# KiCad board IMUArray_SensorBoard.kicad_pcb
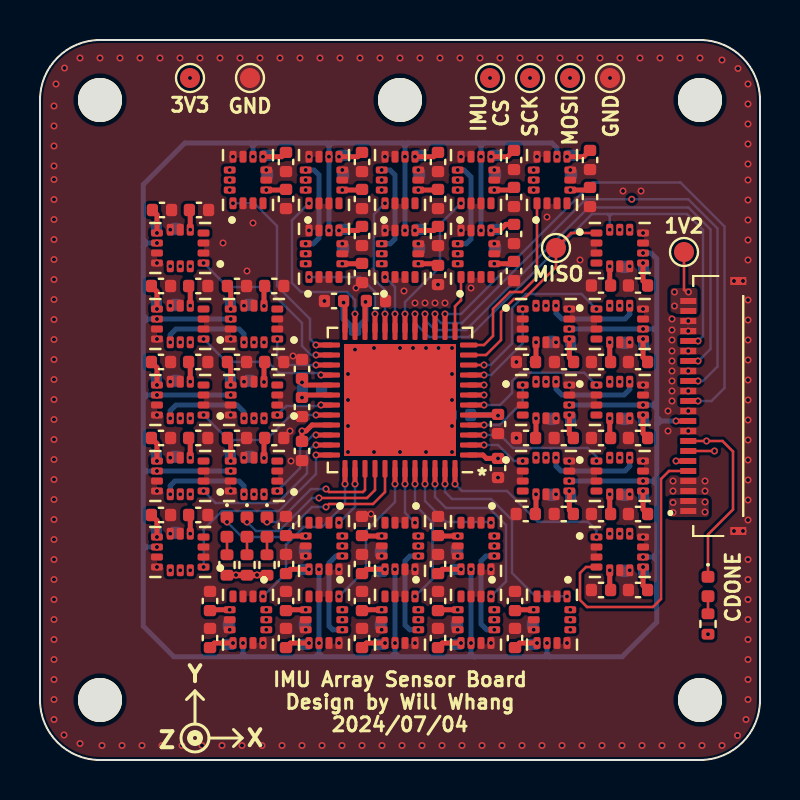
[diagram p0: board, top side]
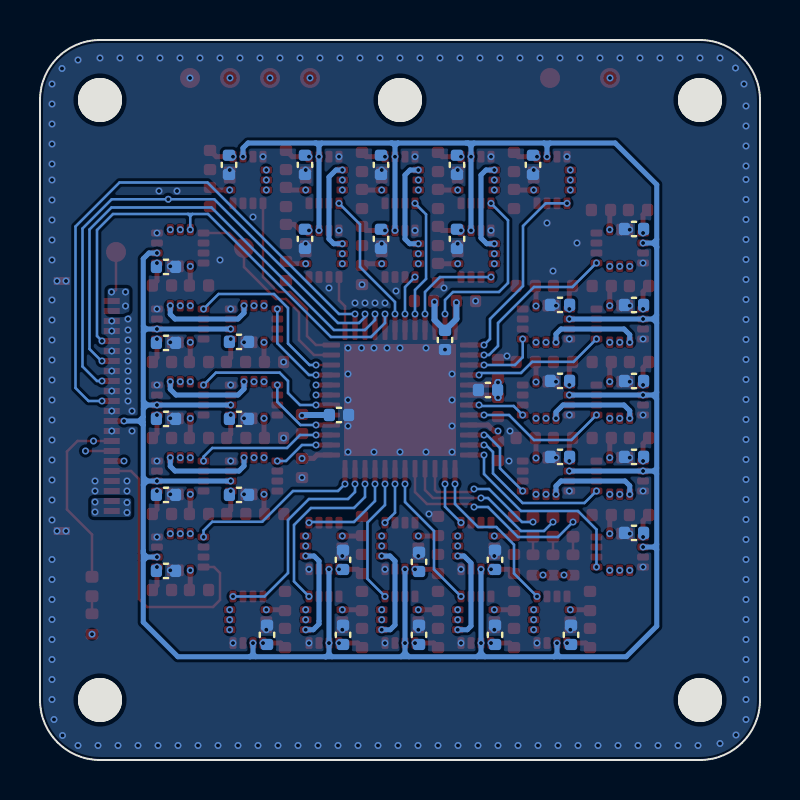
[diagram p1: board, bottom side, seen from below]

Outline 36 x 36 mm; copper layers: Top, In1.Cu, In2.Cu, In3.Cu, In4.Cu, Bottom. Coordinates in mm from the lower left corner of the outline.
Outline path: 0,33 0,3 arc(0.88,0.88) 3,0 33,0 arc(35.12,0.88) 36,3 36,33 arc(35.12,35.12) 33,36 3,36 arc(0.88,35.12) 0,33
Stack: Top 0.035mm / dielectric 0.1857mm FR4 er 4.5 / In1.Cu 0.035mm / dielectric 0.1857mm FR4 er 4.5 / In2.Cu 0.035mm / dielectric 0.1857mm FR4 er 4.5 / In3.Cu 0.035mm / dielectric 0.1857mm FR4 er 4.5 / In4.Cu 0.035mm / dielectric 0.1857mm FR4 er 4.5 / Bottom 0.035mm

## Placement (name value [footprint] x y rotation side)
C1  100n  [C_0402_1005Metric]  16.8 22.95 0 top
C2  100n  [C_0402_1005Metric]  13.1 15.45 270 top
C3  4.7uF  [C_0402_1005Metric]  15.75 21 270 bottom
C4  100n  [C_0402_1005Metric]  16.1 26.2 270 top
C5  100n  [C_0402_1005Metric]  22.9 14.6 270 top
C6  100n  [C_0402_1005Metric]  19.9 26.2 270 top
C7  100n  [C_0402_1005Metric]  13.1 19.55 90 top
C8  100n  [C_0402_1005Metric]  23.7 26.3 270 top
C9  100n  [C_0402_1005Metric]  13.1 17.65 270 top
C10  100n  [C_0402_1005Metric]  22.9 16.8 270 top
C11  100n  [C_0402_1005Metric]  12.3 29.9 270 top
C12  100n  [C_0402_1005Metric]  16.1 29.9 270 top
C13  100n  [C_0402_1005Metric]  19.9 29.9 270 top
C14  100n  [C_0402_1005Metric]  23.7 30 270 top
C15  100n  [C_0402_1005Metric]  27.5 30 270 top
C16  10nF  [C_0402_1005Metric]  16.1 24.35 270 top
C17  10nF  [C_0402_1005Metric]  19.9 24.25 270 top
C18  10nF  [C_0402_1005Metric]  23.7 24.45 270 top
C19  10nF  [C_0402_1005Metric]  12.3 28.05 270 top
C20  10nF  [C_0402_1005Metric]  16.1 28.05 270 top
C21  10nF  [C_0402_1005Metric]  19.9 28.05 270 top
C22  10nF  [C_0402_1005Metric]  23.7 28.15 270 top
C23  10nF  [C_0402_1005Metric]  27.5 28.15 270 top
C24  2.2uF  [C_0402_1005Metric]  15.15 26.06 270 bottom
C25  2.2uF  [C_0402_1005Metric]  18.95 26.06 270 bottom
C26  2.2uF  [C_0402_1005Metric]  22.75 26.06 270 bottom
C27  2.2uF  [C_0402_1005Metric]  11.35 29.76 270 bottom
C28  2.2uF  [C_0402_1005Metric]  15.15 29.76 270 bottom
C29  2.2uF  [C_0402_1005Metric]  18.95 29.76 270 bottom
C30  2.2uF  [C_0402_1005Metric]  22.75 29.76 270 bottom
C31  2.2uF  [C_0402_1005Metric]  26.55 29.76 270 bottom
C32  100n  [C_0402_1005Metric]  26.2 19.9 180 top
C33  100n  [C_0402_1005Metric]  26.19 16.1 180 top
C34  100n  [C_0402_1005Metric]  26.19 12.3 180 top
C35  100n  [C_0402_1005Metric]  29.9 23.72 180 top
C36  100n  [C_0402_1005Metric]  29.9 19.9 180 top
C37  100n  [C_0402_1005Metric]  29.9 16.1 180 top
C38  100n  [C_0402_1005Metric]  29.9 12.3 180 top
C39  100n  [C_0402_1005Metric]  29.9 8.5 180 top
C40  10nF  [C_0402_1005Metric]  24.3 19.9 180 top
C41  10nF  [C_0402_1005Metric]  24.3 16.1 180 top
C42  10nF  [C_0402_1005Metric]  24.29 12.3 180 top
C43  10nF  [C_0402_1005Metric]  28.05 23.72 180 top
C44  10nF  [C_0402_1005Metric]  28.05 19.9 180 top
C45  10nF  [C_0402_1005Metric]  28.05 16.1 180 top
C46  10nF  [C_0402_1005Metric]  28.05 12.3 180 top
C47  10nF  [C_0402_1005Metric]  28.05 8.5 180 top
C48  2.2uF  [C_0402_1005Metric]  26.05 20.91 180 bottom
C49  2.2uF  [C_0402_1005Metric]  26.05 17.06 180 bottom
C50  2.2uF  [C_0402_1005Metric]  26.05 13.26 180 bottom
C51  2.2uF  [C_0402_1005Metric]  29.7 24.66 180 bottom
C52  2.2uF  [C_0402_1005Metric]  29.7 20.86 180 bottom
C53  2.2uF  [C_0402_1005Metric]  29.7 17.06 180 bottom
C54  2.2uF  [C_0402_1005Metric]  29.7 13.26 180 bottom
C55  2.2uF  [C_0402_1005Metric]  29.7 9.46 180 bottom
C56  100n  [C_0402_1005Metric]  19.9 9.8 90 top
C57  100n  [C_0402_1005Metric]  16.1 9.8 90 top
C58  100n  [C_0402_1005Metric]  12.3 9.8 90 top
C59  100n  [C_0402_1005Metric]  23.75 6.1 90 top
C60  100n  [C_0402_1005Metric]  19.9 6.1 90 top
C61  100n  [C_0402_1005Metric]  16.1 6.1 90 top
C62  100n  [C_0402_1005Metric]  12.3 6.1 90 top
C63  100n  [C_0402_1005Metric]  8.5 6.1 90 top
C64  10nF  [C_0402_1005Metric]  19.9 11.7 90 top
C65  10nF  [C_0402_1005Metric]  16.1 11.7 90 top
C66  10nF  [C_0402_1005Metric]  12.3 11.7 90 top
C67  10nF  [C_0402_1005Metric]  23.75 7.95 90 top
C68  10nF  [C_0402_1005Metric]  19.9 7.95 90 top
C69  10nF  [C_0402_1005Metric]  16.1 7.95 90 top
C70  10nF  [C_0402_1005Metric]  12.3 7.95 90 top
C71  10nF  [C_0402_1005Metric]  8.5 7.95 90 top
C72  2.2uF  [C_0402_1005Metric]  20.85 10.01 90 bottom
C73  2.2uF  [C_0402_1005Metric]  17.05 9.91 90 bottom
C74  2.2uF  [C_0402_1005Metric]  13.25 10.01 90 bottom
C75  2.2uF  [C_0402_1005Metric]  24.65 6.26 90 bottom
C76  2.2uF  [C_0402_1005Metric]  20.85 6.26 90 bottom
C77  2.2uF  [C_0402_1005Metric]  17.05 6.26 90 bottom
C78  2.2uF  [C_0402_1005Metric]  13.25 6.26 90 bottom
C79  2.2uF  [C_0402_1005Metric]  9.45 6.26 90 bottom
C80  100n  [C_0402_1005Metric]  9.85 16.1 0 top
C81  100n  [C_0402_1005Metric]  9.85 19.9 0 top
C82  100n  [C_0402_1005Metric]  9.85 23.7 0 top
C83  100n  [C_0402_1005Metric]  6.05 12.25 0 top
C84  100n  [C_0402_1005Metric]  6.05 16.1 0 top
C85  100n  [C_0402_1005Metric]  6.05 19.9 0 top
C86  100n  [C_0402_1005Metric]  6.05 23.7 0 top
C87  100n  [C_0402_1005Metric]  6.1 27.5 0 top
C88  10nF  [C_0402_1005Metric]  11.71 16.1 0 top
C89  10nF  [C_0402_1005Metric]  11.71 19.9 0 top
C90  10nF  [C_0402_1005Metric]  11.71 23.7 0 top
C91  10nF  [C_0402_1005Metric]  7.91 12.25 0 top
C92  10nF  [C_0402_1005Metric]  7.91 16.1 0 top
C93  10nF  [C_0402_1005Metric]  7.91 19.9 0 top
C94  10nF  [C_0402_1005Metric]  7.91 23.7 0 top
C95  10nF  [C_0402_1005Metric]  7.95 27.5 0 top
C96  2.2uF  [C_0402_1005Metric]  10 15.16 0 bottom
C97  2.2uF  [C_0402_1005Metric]  10 18.96 0 bottom
C98  2.2uF  [C_0402_1005Metric]  10 22.76 0 bottom
C99  2.2uF  [C_0402_1005Metric]  6.3 11.36 0 bottom
C100  2.2uF  [C_0402_1005Metric]  6.3 15.16 0 bottom
C101  2.2uF  [C_0402_1005Metric]  6.3 18.95 0 bottom
C102  2.2uF  [C_0402_1005Metric]  6.3 22.75 0 bottom
C103  2.2uF  [C_0402_1005Metric]  6.3 26.55 0 bottom
C111  100n  [C_0402_1005Metric]  14.7 22.95 180 top
C112  4.7uF  [C_0402_1005Metric]  13.6 18.5 0 bottom
C113  4.7uF  [C_0402_1005Metric]  21.05 17.25 180 bottom
D1  GREEN  [LED_0402_1005Metric]  33.4 8.67 270 top
D2  RED  [LED_0402_1005Metric]  9.35 11.65 270 top
D3  GREEN  [LED_0402_1005Metric]  10.35 11.65 270 top
D4  BLUE  [LED_0402_1005Metric]  11.35 11.65 270 top
H1  MountingHole  [MountingHole_2.2mm_M2]  3 3 0 top
H2  MountingHole  [MountingHole_2.2mm_M2]  33 3 0 top
H3  MountingHole  [MountingHole_2.2mm_M2]  33 33 0 top
H4  MountingHole  [MountingHole_2.2mm_M2]  18 33 0 top
H4#2  MountingHole  [MountingHole_2.2mm_M2]  3 33 0 top
J1  Conn_01x22_Shielded  [FH19SC22S05SH09]  33.91 17.7 90 top
R3  330R  [R_0402_1005Metric]  33.4 6.8 270 top
R4  330R  [R_0402_1005Metric]  9.35 9.75 270 top
R5  330R  [R_0402_1005Metric]  10.35 9.75 270 top
R6  330R  [R_0402_1005Metric]  11.35 9.75 270 top
TP1  TestPoint  [TestPoint_Pad_D1.0mm]  32.2 25.4 0 top
TP2  TestPoint  [TestPoint_Pad_D1.0mm]  7.5 34.1 0 top
TP3  TestPoint  [TestPoint_Pad_D1.0mm]  10.5 34.1 0 top
TP4  TestPoint  [TestPoint_Pad_D1.0mm]  22.5 34.1 0 top
TP5  TestPoint  [TestPoint_Pad_D1.0mm]  26.5 34.1 0 top
TP6  TestPoint  [TestPoint_Pad_D1.0mm]  24.5 34.1 0 top
TP7  TestPoint  [TestPoint_Pad_D1.0mm]  28.5 34.1 0 top
TP8  TestPoint  [TestPoint_Pad_D1.0mm]  25.8 25.6 0 top
U1  ICM-42688-P  [PQFN50P300X250X97-14N]  14.2 25.31 90 top
U2  ICM-42688-P  [PQFN50P300X250X97-14N]  18 25.31 90 top
U3  ICM-42688-P  [PQFN50P300X250X97-14N]  21.8 25.31 90 top
U4  ICM-42688-P  [PQFN50P300X250X97-14N]  10.4 29 90 top
U5  ICM-42688-P  [PQFN50P300X250X97-14N]  14.2 29 90 top
U6  ICM-42688-P  [PQFN50P300X250X97-14N]  18 29 90 top
U7  ICM-42688-P  [PQFN50P300X250X97-14N]  21.8 29 90 top
U8  ICM-42688-P  [PQFN50P300X250X97-14N]  25.6 29 90 top
U9  ICM-42688-P  [PQFN50P300X250X97-14N]  25.3 21.8 0 top
U10  ICM-42688-P  [PQFN50P300X250X97-14N]  25.3 18 0 top
U11  ICM-42688-P  [PQFN50P300X250X97-14N]  25.3 14.2 0 top
U12  ICM-42688-P  [PQFN50P300X250X97-14N]  28.99 25.6 0 top
U13  ICM-42688-P  [PQFN50P300X250X97-14N]  28.99 21.8 0 top
U14  ICM-42688-P  [PQFN50P300X250X97-14N]  28.99 18 0 top
U15  ICM-42688-P  [PQFN50P300X250X97-14N]  28.99 14.2 0 top
U16  ICM-42688-P  [PQFN50P300X250X97-14N]  28.99 10.4 0 top
U17  ICM-42688-P  [PQFN50P300X250X97-14N]  21.8 10.7 270 top
U18  ICM-42688-P  [PQFN50P300X250X97-14N]  18 10.7 270 top
U19  ICM-42688-P  [PQFN50P300X250X97-14N]  14.2 10.7 270 top
U20  ICM-42688-P  [PQFN50P300X250X97-14N]  25.6 7.01 270 top
U21  ICM-42688-P  [PQFN50P300X250X97-14N]  21.8 7.01 270 top
U22  ICM-42688-P  [PQFN50P300X250X97-14N]  18 7.01 270 top
U23  ICM-42688-P  [PQFN50P300X250X97-14N]  14.2 7.01 270 top
U24  ICM-42688-P  [PQFN50P300X250X97-14N]  10.4 7.01 270 top
U25  ICM-42688-P  [PQFN50P300X250X97-14N]  10.7 14.2 180 top
U26  ICM-42688-P  [PQFN50P300X250X97-14N]  10.7 18 180 top
U27  ICM-42688-P  [PQFN50P300X250X97-14N]  10.7 21.8 180 top
U28  ICM-42688-P  [PQFN50P300X250X97-14N]  7.01 10.4 180 top
U29  ICM-42688-P  [PQFN50P300X250X97-14N]  7.01 14.2 180 top
U30  ICM-42688-P  [PQFN50P300X250X97-14N]  7.01 18 180 top
U31  ICM-42688-P  [PQFN50P300X250X97-14N]  7.01 21.8 180 top
U32  ICM-42688-P  [PQFN50P300X250X97-14N]  7.01 25.6 180 top
U33  ICE5LP1K-SG48  [QFN-48-1EP_7x7mm_P0.5mm_EP5.6x5.6mm]  18 18 180 top

## Library data of the parts
U1-U32 = -: MANUFACTURER: TDK InvenSense; MAXIMUM_PACKAGE_HEIGHT: 0.97mm; PARTREV: 1.2; STANDARD: IPC-7351B

## Footprints (pads in the part's own frame, mm; a bottom-side part is the same pattern mirrored in y, then rotated)
C_0402_1005Metric
  rrect 0.56x0.62 smd: 1(-0.48,0) 2(0.48,0)
FH19SC22S05SH09
  rect 0.3x0.8 smd: 1(-5.25,1.5) 2(-4.75,1.5) 3(-4.25,1.5) 4(-3.75,1.5) 5(-3.25,1.5) 6(-2.75,1.5) 7(-2.25,1.5) 8(-1.75,1.5) 9(-1.25,1.5) 10(-0.75,1.5) 11(-0.25,1.5) 12(0.25,1.5) 13(0.75,1.5) 14(1.25,1.5) 15(1.75,1.5) 16(2.25,1.5) 17(2.75,1.5) 18(3.25,1.5) 19(3.75,1.5) 20(4.25,1.5) 21(4.75,1.5) 22(5.25,1.5)
  rect 0.4x0.8 smd: MP1(-6.25,-1) MP2(6.25,-1)
LED_0402_1005Metric
  rrect 0.59x0.64 smd: 1(-0.485,0) 2(0.485,0)
MountingHole_2.2mm_M2
  round 2.2 hole 2.2 unplated: (0,0)
PQFN50P300X250X97-14N
  rrect 0.59x0.35 smd: 1(-1.165,0.75) 2(-1.165,0.25) 3(-1.165,-0.25) 4(-1.165,-0.75) 8(1.165,-0.75) 9(1.165,-0.25) 10(1.165,0.25) 11(1.165,0.75)
  rrect 0.35x0.59 smd: 5(-0.5,-0.915) 6(0,-0.915) 7(0.5,-0.915) 12(0.5,0.915) 13(0,0.915) 14(-0.5,0.915)
QFN-48-1EP_7x7mm_P0.5mm_EP5.6x5.6mm
  rrect 1.13x1.13 smd: (-2.1,2.1) (-2.1,0.7) (-2.1,-0.7) (-2.1,-2.1) (-0.7,2.1) (-0.7,0.7) (-0.7,-0.7) (-0.7,-2.1) (0.7,2.1) (0.7,0.7) (0.7,-0.7) (0.7,-2.1) (2.1,2.1) (2.1,0.7) (2.1,-0.7) (2.1,-2.1)
  rrect 0.875x0.25 smd: 1(-3.438,2.75) 2(-3.438,2.25) 3(-3.438,1.75) 4(-3.438,1.25) 5(-3.438,0.75) 6(-3.438,0.25) 7(-3.438,-0.25) 8(-3.438,-0.75) 9(-3.438,-1.25) 10(-3.438,-1.75) 11(-3.438,-2.25) 12(-3.438,-2.75) 25(3.438,-2.75) 26(3.438,-2.25) 27(3.438,-1.75) 28(3.438,-1.25) 29(3.438,-0.75) 30(3.438,-0.25) 31(3.438,0.25) 32(3.438,0.75) 33(3.438,1.25) 34(3.438,1.75) 35(3.438,2.25) 36(3.438,2.75)
  rrect 0.25x0.875 smd: 13(-2.75,-3.438) 14(-2.25,-3.438) 15(-1.75,-3.438) 16(-1.25,-3.438) 17(-0.75,-3.438) 18(-0.25,-3.438) 19(0.25,-3.438) 20(0.75,-3.438) 21(1.25,-3.438) 22(1.75,-3.438) 23(2.25,-3.438) 24(2.75,-3.438) 37(2.75,3.438) 38(2.25,3.438) 39(1.75,3.438) 40(1.25,3.438) 41(0.75,3.438) 42(0.25,3.438) 43(-0.25,3.438) 44(-0.75,3.438) 45(-1.25,3.438) 46(-1.75,3.438) 47(-2.25,3.438) 48(-2.75,3.438)
  rect 5.6x5.6 smd: 49(0,0)
R_0402_1005Metric
  rrect 0.54x0.64 smd: 1(-0.51,0) 2(0.51,0)
TestPoint_Pad_D1.0mm
  round 1 smd: 1(0,0)

## Nets
+1V2: C7.1 C9.1 C10.1 C112.1 C113.1 J1.21 J1.22 TP1.1 U33.5 U33.29 U33.30
+3V3: C1.1 C2.1 C3.1 C4.1 C5.1 C6.1 C8.1 C11.1 C12.1 C13.1 C14.1 C15.1 C16.1 C17.1 C18.1 C19.1 C20.1 C21.1 C22.1 C23.1 C24.1 C25.1 C26.1 C27.1 C28.1 C29.1 C30.1 C31.1 C32.1 C33.1 C34.1 C35.1 C36.1 C37.1 C38.1 C39.1 C40.1 C41.1 C42.1 C43.1 C44.1 C45.1 C46.1 C47.1 C48.1 C49.1 C50.1 C51.1 C52.1 C53.1 C54.1 C55.1 C56.1 C57.1 C58.1 C59.1 C60.1 C61.1 C62.1 C63.1 C64.1 C65.1 C66.1 C67.1 C68.1 C69.1 C70.1 C71.1 C72.1 C73.1 C74.1 C75.1 C76.1 C77.1 C78.1 C79.1 C80.1 C81.1 C82.1 C83.1 C84.1 C85.1 C86.1 C87.1 C88.1 C89.1 C90.1 C91.1 C92.1 C93.1 C94.1 C95.1 C96.1 C97.1 C98.1 C99.1 C100.1 C101.1 C102.1 C103.1 C111.1 J1.1 J1.2 R3.2 R4.2 R5.2 R6.2 TP2.1 U1.5 U1.8 U2.5 U2.8 U3.5 U3.8 U4.5 U4.8 U5.5 U5.8 U6.5 U6.8 U7.5 U7.8 U8.5 U8.8 U9.5 U9.8 U10.5 U10.8 U11.5 U11.8 U12.5 U12.8 U13.5 U13.8 U14.5 U14.8 U15.5 U15.8 U16.5 U16.8 U17.5 U17.8 U18.5 U18.8 U19.5 U19.8 U20.5 U20.8 U21.5 U21.8 U22.5 U22.8 U23.5 U23.8 U24.5 U24.8 U25.5 U25.8 U26.5 U26.8 U27.5 U27.8 U28.5 U28.8 U29.5 U29.8 U30.5 U30.8 U31.5 U31.8 U32.5 U32.8 U33.1 U33.22 U33.24 U33.33
GND: C1.2 C2.2 C3.2 C4.2 C5.2 C6.2 C7.2 C8.2 C9.2 C10.2 C11.2 C12.2 C13.2 C14.2 C15.2 C16.2 C17.2 C18.2 C19.2 C20.2 C21.2 C22.2 C23.2 C24.2 C25.2 C26.2 C27.2 C28.2 C29.2 C30.2 C31.2 C32.2 C33.2 C34.2 C35.2 C36.2 C37.2 C38.2 C39.2 C40.2 C41.2 C42.2 C43.2 C44.2 C45.2 C46.2 C47.2 C48.2 C49.2 C50.2 C51.2 C52.2 C53.2 C54.2 C55.2 C56.2 C57.2 C58.2 C59.2 C60.2 C61.2 C62.2 C63.2 C64.2 C65.2 C66.2 C67.2 C68.2 C69.2 C70.2 C71.2 C72.2 C73.2 C74.2 C75.2 C76.2 C77.2 C78.2 C79.2 C80.2 C81.2 C82.2 C83.2 C84.2 C85.2 C86.2 C87.2 C88.2 C89.2 C90.2 C91.2 C92.2 C93.2 C94.2 C95.2 C96.2 C97.2 C98.2 C99.2 C100.2 C101.2 C102.2 C103.2 C111.2 C112.2 C113.2 J1.3 J1.4 J1.9 J1.11 J1.13 J1.15 J1.17 J1.19 J1.20 J1.MP1 J1.MP2 TP3.1 TP7.1 U1.2 U1.3 U1.6 U1.7 U1.10 U1.11 U2.2 U2.3 U2.6 U2.7 U2.10 U2.11 U3.2 U3.3 U3.6 U3.7 U3.10 U3.11 U4.2 U4.3 U4.6 U4.7 U4.10 U4.11 U5.2 U5.3 U5.6 U5.7 U5.10 U5.11 U6.2 U6.3 U6.6 U6.7 U6.10 U6.11 U7.2 U7.3 U7.6 U7.7 U7.10 U7.11 U8.2 U8.3 U8.6 U8.7 U8.10 U8.11 U9.2 U9.3 U9.6 U9.7 U9.10 U9.11 U10.2 U10.3 U10.6 U10.7 U10.10 U10.11 U11.2 U11.3 U11.6 U11.7 U11.10 U11.11 U12.2 U12.3 U12.6 U12.7 U12.10 U12.11 U13.2 U13.3 U13.6 U13.7 U13.10 U13.11 U14.2 U14.3 U14.6 U14.7 U14.10 U14.11 U15.2 U15.3 U15.6 U15.7 U15.10 U15.11 U16.2 U16.3 U16.6 U16.7 U16.10 U16.11 U17.2 U17.3 U17.6 U17.7 U17.10 U17.11 U18.2 U18.3 U18.6 U18.7 U18.10 U18.11 U19.2 U19.3 U19.6 U19.7 U19.10 U19.11 U20.2 U20.3 U20.6 U20.7 U20.10 U20.11 U21.2 U21.3 U21.6 U21.7 U21.10 U21.11 U22.2 U22.3 U22.6 U22.7 U22.10 U22.11 U23.2 U23.3 U23.6 U23.7 U23.10 U23.11 U24.2 U24.3 U24.6 U24.7 U24.10 U24.11 U25.2 U25.3 U25.6 U25.7 U25.10 U25.11 U26.2 U26.3 U26.6 U26.7 U26.10 U26.11 U27.2 U27.3 U27.6 U27.7 U27.10 U27.11 U28.2 U28.3 U28.6 U28.7 U28.10 U28.11 U29.2 U29.3 U29.6 U29.7 U29.10 U29.11 U30.2 U30.3 U30.6 U30.7 U30.10 U30.11 U31.2 U31.3 U31.6 U31.7 U31.10 U31.11 U32.2 U32.3 U32.6 U32.7 U32.10 U32.11 U33.49
FPGA_CDONE: D1.1 J1.8 U33.7
FPGA_CS: J1.16 U33.16
FPGA_LED_B: D4.1 U33.39
FPGA_LED_G: D3.1 U33.40
FPGA_LED_R: D2.1 U33.41
FPGA_RST: J1.7 U33.8
FPGA_SCK: J1.14 TP6.1 U1.13 U2.13 U3.13 U4.13 U5.13 U6.13 U7.13 U8.13 U9.13 U10.13 U11.13 U12.13 U13.13 U14.13 U15.13 U16.13 U17.13 U18.13 U19.13 U20.13 U21.13 U22.13 U23.13 U24.13 U25.13 U26.13 U27.13 U28.13 U29.13 U30.13 U31.13 U32.13 U33.15
FPGA_SI: J1.18 TP5.1 U1.14 U2.14 U3.14 U4.14 U5.14 U6.14 U7.14 U8.14 U9.14 U10.14 U11.14 U12.14 U13.14 U14.14 U15.14 U16.14 U17.14 U18.14 U19.14 U20.14 U21.14 U22.14 U23.14 U24.14 U25.14 U26.14 U27.14 U28.14 U29.14 U30.14 U31.14 U32.14 U33.17
FPGA_SO: J1.12 U33.14
FSYNC: J1.10 U1.9 U2.9 U3.9 U4.9 U5.9 U6.9 U7.9 U8.9 U9.9 U10.9 U11.9 U12.9 U13.9 U14.9 U15.9 U16.9 U17.9 U18.9 U19.9 U20.9 U21.9 U22.9 U23.9 U24.9 U25.9 U26.9 U27.9 U28.9 U29.9 U30.9 U31.9 U32.9
IMU1_INT: J1.5 U16.4
IMU_CS: J1.6 TP4.1 U1.12 U2.12 U3.12 U4.12 U5.12 U6.12 U7.12 U8.12 U9.12 U10.12 U11.12 U12.12 U13.12 U14.12 U15.12 U16.12 U17.12 U18.12 U19.12 U20.12 U21.12 U22.12 U23.12 U24.12 U25.12 U26.12 U27.12 U28.12 U29.12 U30.12 U31.12 U32.12
IMU_MISO1: U1.1 U33.21
IMU_MISO2: U2.1 U33.19
IMU_MISO3: U3.1 U33.13
IMU_MISO4: U4.1 U33.25
IMU_MISO5: U5.1 U33.23
IMU_MISO6: U6.1 U33.20
IMU_MISO7: U7.1 U33.18
IMU_MISO8: U8.1 U33.12
IMU_MISO9: U9.1 U33.9
IMU_MISO10: U10.1 U33.4
IMU_MISO11: U11.1 U33.2
IMU_MISO12: TP8.1 U12.1 U33.11
IMU_MISO13: U13.1 U33.10
IMU_MISO14: U14.1 U33.6
IMU_MISO15: U15.1 U33.3
IMU_MISO16: U16.1 U33.48
IMU_MISO17: U17.1 U33.45
IMU_MISO18: U18.1 U33.43
IMU_MISO19: U19.1 U33.38
IMU_MISO20: U20.1 U33.47
IMU_MISO21: U21.1 U33.46
IMU_MISO22: U22.1 U33.44
IMU_MISO23: U23.1 U33.42
IMU_MISO24: U24.1 U33.37
IMU_MISO25: U25.1 U33.34
IMU_MISO26: U26.1 U33.31
IMU_MISO27: U27.1 U33.27
IMU_MISO28: U28.1 U33.36
IMU_MISO29: U29.1 U33.35
IMU_MISO30: U30.1 U33.32
IMU_MISO31: U31.1 U33.28
IMU_MISO32: U32.1 U33.26
Net-(D1-Pad2): D1.2 R3.1
Net-(D2-Pad2): D2.2 R4.1
Net-(D3-Pad2): D3.2 R5.1
Net-(D4-Pad2): D4.2 R6.1

Pads without a net: U1 4; U2 4; U3 4; U4 4; U5 4; U6 4; U7 4; U8 4; U9 4; U10 4; U11 4; U12 4; U13 4; U14 4; U15 4; U17 4; U18 4; U19 4; U20 4; U21 4; U22 4; U23 4; U24 4; U25 4; U26 4; U27 4; U28 4; U29 4; U30 4; U31 4; U32 4

## Via types
v1: diameter 0.35, hole 0.2, Top to Bottom, 558 vias

## Routing (per net, layer and track width the routed paths; a pad name or vN(x,y) marks a point on that pad's centre or on a via; arc(x,y) is an arc through that point)
+1V2: length 8.9
  Top w0.127: TP1.1 32.2,23.51 32.31,23.4 v1(32.42,23.4)
  Top w0.25: U33.30 13.23,18.25 v1(13.1,18.12) ; U33.29 13.23,18.75 v1(13.1,18.88) ; U33.5 22.87,17.25 v1(22.9,17.22)
  Bottom w0.3: C113.1 22.87,17.25 v1(22.9,17.22) ; v1(13.1,18.88) 13.12,18.86 ; 13.12,18.14 v1(13.1,18.12)
  Bottom w0.35: v1(13.1,18.88) v1(13.1,18.12)
  vias: v1(31.72,23.4) v1(31.72,22.7)
+3V3: length 82.2
  Top w0.25: v1(20.89,11.2) 19.91,11.2 19.9,11.21 ; C36.1 30.15,20.13 v1(30.15,21.05) ; v1(17.25,9.53) 16.31,9.53 C57.1 ; C13.1 19.69,30.16 v1(18.75,30.16) ; v1(22.72,24.81) 23.58,24.81 C18.1 ; 23.75,5.63 23.97,5.85 v1(24.85,5.85) ; v1(7.51,11.31) 7.51,12.17 C91.1 ; 8.5,5.63 8.72,5.85 v1(9.65,5.85) ; C33.1 26.47,16.3 v1(26.47,17.25) ; C41.1 24.8,16.12 v1(24.8,17.08) ; v1(17.08,11.2) 16.11,11.2 16.1,11.21 ; v1(22.72,28.5) 23.57,28.5 C22.1 ; C32.1 26.47,20.11 v1(26.47,21.05) ; v1(14.95,26.48) 15.9,26.48 C4.1 ; C15.1 27.19,30.16 v1(26.35,30.16) ; v1(18.92,24.81) 19.82,24.81 C17.1 ; 19.9,5.63 20.11,5.85 v1(21.05,5.85) ; C66.1 12.32,11.2 v1(13.28,11.2) ; U33.24 15.25,22.8 v1(15.18,22.87) ; C34.1 26.47,12.5 v1(26.47,13.45) ; v1(30.15,24.85) 30.15,23.95 C35.1 ; 24.61,12.3 24.8,12.49 v1(24.8,13.28) ; v1(28.49,9.48) 28.49,8.58 ; v1(5.85,26.35) 5.85,27.27 C87.1 ; U25.5 11.2,15.91 11.39,16.1 ; v1(11.31,28.5) 12.17,28.5 ; v1(28.49,24.69) 28.49,23.83 ; C81.1 9.53,19.73 v1(9.53,18.75) ; 12.3,5.63 12.52,5.85 v1(13.45,5.85) ; C6.1 19.7,26.48 v1(18.75,26.48) ; v1(16.28,22.91) 16.25,22.88 U33.22 ; v1(15.11,28.5) 16.02,28.5 ; v1(18.92,28.5) 19.82,28.5 ; v1(28.49,17.08) 28.49,16.18 ; v1(30.15,13.45) 30.15,12.53 C38.1 ; v1(22.55,30.16) 23.39,30.16 C14.1 ; C8.1 23.29,26.78 22.99,26.48 v1(22.55,26.48) ; C37.1 30.15,16.33 v1(30.15,17.25) ; v1(28.49,13.28) 28.49,12.38 ; C11.1 12.08,30.16 v1(11.15,30.16) ; v1(15.11,24.81) 16.08,24.81 ; U33.33 13.6,16.75 13.3,16.45 v1(13.1,16.45) C2.1 ; v1(13.45,9.53) 12.52,9.53 C58.1 ; 11.39,19.9 11.2,19.71 v1(11.2,18.9) ; U33.1 22.15,15.25 22.32,15.08 v1(22.9,15.08) ; v1(17.25,5.85) 16.31,5.85 16.1,5.63 ; v1(26.52,28.5) 27.37,28.5 C23.1 ; C84.1 5.85,15.82 v1(5.85,14.95) ; v1(7.51,22.72) 7.51,23.62 ; v1(7.51,15.11) 7.51,16.02 ; v1(13.28,7.51) 12.38,7.51 ; v1(24.8,20.89) 24.8,20.09 24.61,19.9 ; v1(21.05,9.53) 20.11,9.53 C56.1 ; v1(9.53,22.55) 9.53,23.53 C82.1 ; C67.1 23.79,7.51 v1(24.69,7.51) ; v1(30.15,9.65) 30.15,8.73 C39.1 ; v1(9.48,7.51) 8.58,7.51 ; v1(5.85,11.15) 5.85,11.97 C83.1 ; v1(28.49,20.89) 28.49,19.98 ; v1(9.53,14.95) 9.53,15.94 C80.1 ; v1(5.85,18.75) 5.85,19.62 C85.1 ; v1(7.51,18.92) 7.51,19.82 ; v1(20.89,7.51) 19.98,7.51 ; C86.1 5.85,23.42 v1(5.85,22.55) ; U27.5 11.2,23.51 11.39,23.7 ; v1(17.08,7.51) 16.18,7.51 ; C12.1 15.89,30.16 v1(14.95,30.16) ; v1(7.51,26.52) 7.51,27.42
  Top w0.3: R4.2 R6.2
  Bottom w0.3: v1(16.28,22.91) 16.28,22 C3.1 15.18,22.05 v1(15.18,22.87)
  vias: v1(7.5,34.1) v1(9.8,9.25) v1(10.85,9.25) v1(11.2,22.7) v1(11.2,15.1) v1(31.65,12.88) v1(31.65,12.38) v1(33.25,12.9) v1(33.25,12.4) v1(33.4,6.29)
GND:
  vias: v1(0.7,32.7) v1(0.7,31.7) v1(0.7,30.7) v1(0.7,29.7) v1(0.7,29.02) v1(0.7,28.02) v1(0.7,27.02) v1(0.7,26.02) v1(0.7,25.02) v1(0.7,24.02) v1(0.7,23.03) v1(0.7,22.03) v1(0.7,21.03) v1(0.7,20.03) v1(0.7,19.03) v1(0.7,18.03) v1(0.7,17.03) v1(0.7,16.03) v1(0.7,15.03) v1(0.7,14.03) v1(0.7,13.03) v1(0.7,12.03) v1(0.7,11.03) v1(0.7,10.03) v1(0.7,9.03) v1(0.7,8.03) v1(0.7,7.03) v1(0.7,6.03) v1(0.7,5.03) v1(0.7,4.03) v1(0.7,3.03) v1(0.7,2.03) v1(0.8,33.8) v1(1.22,34.6) v1(1.2,1.25) v1(2,35.1) v1(2,0.83) v1(3,35.1) v1(3.1,0.72) v1(4,35.1) v1(4.1,0.72) v1(5,35.1) v1(5.1,0.72) v1(5.85,24.85) v1(5.85,21.05) v1(5.85,17.25) v1(5.85,13.45) v1(5.85,9.65) v1(6,35.1) v1(6.1,0.72) v1(6.51,26.52) v1(6.51,22.72) v1(6.51,18.92) v1(6.51,15.11) v1(6.51,11.31) v1(7,35.1) v1(7.1,0.72) v1(8,35.1) v1(8.1,0.72) v1(9,35.1) v1(9.1,0.72) v1(9.15,25.85) v1(9.53,21.05) v1(9.53,17.25) v1(9.53,13.45) v1(9.48,6.51) v1(9.65,30.16) v1(10,35.1) v1(10.1,0.72) v1(10.2,22.72) v1(10.2,18.92) v1(10.2,15.11) v1(10.35,24.45) v1(10.65,26.85) v1(11,35.1) v1(11.1,0.72) v1(11.15,5.85) v1(11.31,29.5) v1(12,35.1) v1(12.1,0.72) v1(12.5,16.45) v1(12.55,14.95) v1(12.65,20.2) v1(13,35.1) v1(13.1,0.72) v1(13.28,10.2) v1(13.28,6.51) v1(13.45,30.16) v1(13.45,26.48) v1(14,35.1) v1(14.1,0.72) v1(14.22,22.95) v1(15,35.1) v1(14.95,9.53) v1(14.95,5.85) v1(15.11,29.5) v1(15.11,25.81) v1(15.1,0.72) v1(15.4,19.3) v1(15.4,18) v1(15.4,16.7) v1(15.4,15.4) v1(15.8,23.6) v1(15.75,20.52) v1(16,35.1) v1(16.1,0.72) v1(16.55,12.3) v1(16.7,20.6) v1(16.7,15.4) v1(17,35.1) v1(17.08,10.2) v1(17.08,6.51) v1(17.1,0.72) v1(17.25,30.16) v1(17.25,26.48) v1(18,35.1) v1(18,20.6) v1(18,15.4) v1(18.1,0.72) v1(18.2,23.45) v1(18.65,20.6) v1(18.75,22.85) v1(18.75,9.53) v1(18.75,5.85) v1(18.92,29.5) v1(18.92,25.81) v1(19,35.1) v1(19.1,0.72) v1(19.25,22.85) v1(19.3,20.6) v1(19.3,15.4) v1(19.75,22.85) v1(19.9,23.77) v1(19.92,20.6) v1(20,35.1) v1(20.1,0.72) v1(20.25,22.85) v1(20.6,20.6) v1(20.6,19.3) v1(20.6,18) v1(20.6,16.7) v1(20.6,15.4) v1(20.89,10.2) v1(20.89,6.51) v1(21,35.1) v1(21.05,30.16) v1(21.05,26.48) v1(21.1,0.72) v1(21.55,23.6) v1(22,35.1) v1(22.1,0.72) v1(22.55,9.53) v1(22.55,5.85) v1(22.72,29.5) v1(22.72,25.81) v1(22.9,14.12) v1(23,35.1) v1(23.1,0.72) v1(23.82,19.9) v1(23.82,16.1) v1(24,35.1) v1(24.1,0.72) v1(24.69,6.51) v1(24.85,30.16) v1(25,35.1) v1(25.1,0.72) v1(25.35,27.15) v1(25.8,20.89) v1(25.8,17.08) v1(25.8,13.28) v1(26,35.1) v1(26.1,0.72) v1(26.35,5.85) v1(26.52,29.5) v1(26.47,22.55) v1(26.47,18.75) v1(26.47,14.95) v1(27,35.1) v1(27,25) v1(27.1,0.72) v1(28,35.1) v1(28.1,0.72) v1(28.5,34.1) v1(29,35.1) v1(29.1,0.72) v1(29.15,28.45) v1(29.49,24.69) v1(29.49,20.89) v1(29.49,17.08) v1(29.49,13.28) v1(29.49,9.48) v1(30,35.1) v1(30.05,28.45) v1(30.1,0.72) v1(30.15,26.35) v1(30.15,22.55) v1(30.15,18.75) v1(30.15,14.95) v1(30.15,11.15) v1(31,35.1) v1(31.1,0.72) v1(31.4,17.45) v1(31.4,16.45) v1(31.6,22.05) v1(31.6,21.5) v1(31.6,21) v1(31.6,20.45) v1(31.6,19.95) v1(31.6,19.45) v1(31.6,18.95) v1(31.6,18.45) v1(31.6,17.95) v1(31.65,13.95) v1(31.65,13.45) v1(32,35.1) v1(32.1,0.72) v1(32.41,21.95) v1(32.41,21.45) v1(32.41,20.45) v1(32.41,19.45) v1(32.41,18.45) v1(32.41,17.45) v1(32.41,16.45) v1(33,35.1) v1(33.1,0.72) v1(33.25,13.95) v1(33.25,13.45) v1(34.1,35) v1(34.1,0.72) v1(34.7,23.95) v1(34.7,11.45) v1(34.9,34.58) v1(34.88,1.22) v1(35.15,23.95) v1(35.15,11.45) v1(35.3,2.03) v1(35.4,33.8) v1(35.4,32.8) v1(35.4,31.8) v1(35.4,30.8) v1(35.4,29.8) v1(35.4,29) v1(35.4,28) v1(35.4,27) v1(35.4,26) v1(35.4,25) v1(35.4,23) v1(35.4,22) v1(35.4,21) v1(35.4,20) v1(35.4,19) v1(35.4,18) v1(35.4,17) v1(35.4,16) v1(35.4,15) v1(35.4,14) v1(35.4,13) v1(35.4,12) v1(35.4,10.03) v1(35.4,9.03) v1(35.4,8.03) v1(35.4,7.03) v1(35.4,6.03) v1(35.4,5.03) v1(35.4,4.03) v1(35.4,3.03)